# Altium PCB flexi_ethernet_w5500_solo.pcbdoc (part 5 of 7)
Units mm, origin at the board's own origin, x right, y up, seen from the top; angles counter-clockwise.
Board outline 85 x 20.49 mm, 4 copper layers (Top Layer, GND, PWR, Bottom Layer), stack 1.541 mm thick; 61 components, 41 nets, 7605 pads, 85 vias.
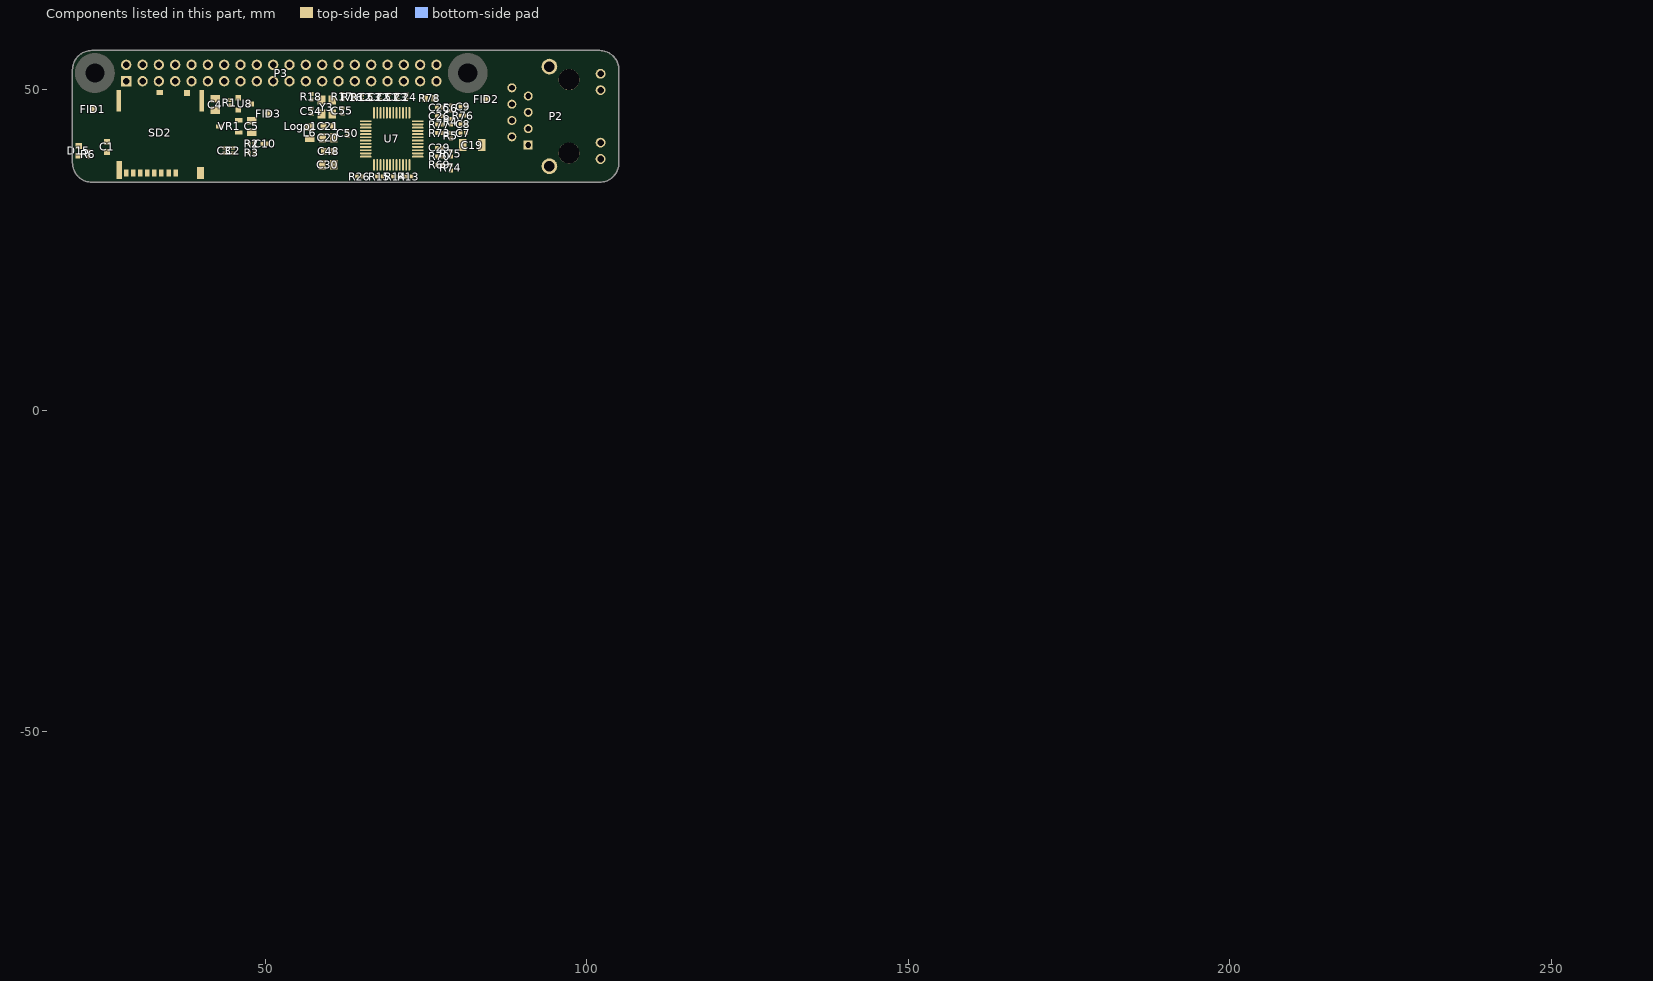
[diagram p7: the components of this part, seen from the top]

## Footprints (in the part's own frame and the unit in brackets; to place one, negate y for a bottom-side part, rotate by r counter-clockwise, add the part's x,y. Pads: shape width x height; smd on the part's side, far side on the other; paste and mask are expansions set on the pad) (continued)
Expatria-Logo [mil] "Expatria DXF logo" (continued)
  round 1.64 on Mech4: 1(-44084.13,-43686.41) 1(-44084.13,-43686.41) 1(-44083.22,-43664.04) 1(-44083.22,-43664.04) 1(-44083.22,-43543.69) 1(-44083.22,-43543.69) 1(-44082.8,-43686.83) 1(-44082.8,-43686.83) 1(-44082.34,-43664.04) 1(-44082.34,-43664.04) 1(-44082.34,-43517.31) 1(-44082.34,-43517.31) 1(-44081.89,-43688.19) 1(-44081.89,-43688.19) 1(-44080.56,-43688.64) 1(-44080.56,-43688.64) 1(-44080.11,-43689.52) 1(-44080.11,-43689.52) 1(-44079.2,-43516.85) 1(-44079.2,-43516.85) 1(-44078.74,-43689.97) 1(-44078.74,-43689.97) 1(-44078.32,-43690.88) 1(-44078.32,-43690.88) 1(-44078.32,-43541.45) 1(-44078.32,-43541.45) 1(-44076.96,-43669.84) 1(-44076.96,-43669.84) 1(-44076.96,-43691.3) 1(-44076.96,-43691.3) 1(-44076.51,-43692.21) 1(-44076.51,-43692.21) 1(-44076.09,-43669.84) 1(-44076.09,-43669.84) 1(-44076.09,-43515.52) 1(-44076.09,-43515.52) 1(-44075.18,-43692.66) 1(-44075.18,-43692.66) 1(-44074.73,-43693.54) 1(-44074.73,-43693.54) 1(-44073.4,-43672.99) 1(-44073.4,-43672.99) 1(-44073.4,-43540.13) 1(-44073.4,-43540.13) 1(-44073.4,-43693.99) 1(-44073.4,-43693.99) 1(-44072.95,-43694.9) 1(-44072.95,-43694.9) 1(-44072.95,-43515.07) 1(-44072.95,-43515.07) 1(-44072.49,-43672.99) 1(-44072.49,-43672.99) 1(-44071.62,-43695.35) 1(-44071.62,-43695.35) 1(-44071.16,-43696.23) 1(-44071.16,-43696.23) 1(-44069.8,-43513.74) 1(-44069.8,-43513.74) 1(-44069.8,-43696.68) 1(-44069.8,-43696.68) 1(-44069.38,-43697.59) 1(-44069.38,-43697.59) 1(-44068.47,-43537.89) 1(-44068.47,-43537.89) 1(-44068.02,-43698.01) 1(-44068.02,-43698.01) 1(-44067.56,-43698.92) 1(-44067.56,-43698.92) 1(-44066.69,-43513.29) 1(-44066.69,-43513.29) 1(-44066.23,-43699.37) 1(-44066.23,-43699.37) 1(-44065.78,-43700.24) 1(-44065.78,-43700.24) 1(-44064.46,-43700.7) 1(-44064.46,-43700.7) 1(-44063.54,-43536.56) 1(-44063.54,-43536.56) 1(-44063.54,-43511.96) 1(-44063.54,-43511.96) 1(-44062.67,-43702.48) 1(-44062.67,-43702.48) 1(-44062.21,-43683.72) 1(-44062.21,-43683.72) 1(-44061.31,-43702.94) 1(-44061.31,-43702.94) 1(-44061.31,-43683.72) 1(-44061.31,-43683.72) 1(-44061.31,-43535.2) 1(-44061.31,-43535.2) 1(-44060.86,-43703.84) 1(-44060.86,-43703.84) 1(-44060.44,-43511.51) 1(-44060.44,-43511.51) 1(-44059.53,-43704.3) 1(-44059.53,-43704.3) 1(-44059.07,-43705.17) 1(-44059.07,-43705.17) 1(-44059.07,-43534.74) 1(-44059.07,-43534.74) 1(-44058.19,-43687.28) 1(-44058.19,-43687.28) 1(-44057.74,-43705.63) 1(-44057.74,-43705.63) 1(-44057.29,-43510.14) 1(-44057.29,-43510.14) 1(-44057.29,-43687.28) 1(-44057.29,-43687.28) 1(-44056.84,-43533.42) 1(-44056.84,-43533.42) 1(-44055.96,-43707.41) 1(-44055.96,-43707.41) 1(-44054.6,-43707.86) 1(-44054.6,-43707.86) 1(-44054.6,-43532.96) 1(-44054.6,-43532.96) 1(-44054.14,-43708.77) 1(-44054.14,-43708.77) 1(-44054.14,-43509.72) 1(-44054.14,-43509.72) 1(-44053.27,-43691.75) 1(-44053.27,-43691.75) 1(-44052.82,-43709.19) 1(-44052.82,-43709.19) 1(-44052.36,-43710.1) 1(-44052.36,-43710.1) 1(-44052.36,-43691.75) 1(-44052.36,-43691.75) 1(-44052.36,-43531.63) 1(-44052.36,-43531.63) 1(-44051.03,-43508.36) 1(-44051.03,-43508.36) 1(-44051.03,-43710.55) 1(-44051.03,-43710.55) 1(-44050.12,-43531.18) 1(-44050.12,-43531.18) 1(-44049.25,-43712.34) 1(-44049.25,-43712.34) 1(-44047.89,-43712.79) 1(-44047.89,-43712.79) 1(-44047.89,-43529.85) 1(-44047.89,-43529.85) 1(-44047.43,-43713.66) 1(-44047.43,-43713.66) 1(-44046.1,-43714.12) 1(-44046.1,-43714.12) 1(-44046.1,-43507.49) 1(-44046.1,-43507.49) 1(-44045.65,-43529.4) 1(-44045.65,-43529.4) 1(-44044.78,-43699.83) 1(-44044.78,-43699.83) 1(-44044.33,-43715.9) 1(-44044.33,-43715.9) 1(-44043.87,-43699.83) 1(-44043.87,-43699.83) 1(-44043.41,-43528.04) 1(-44043.41,-43528.04) 1(-44042.96,-43716.35) 1(-44042.96,-43716.35) 1(-44042.96,-43506.13) 1(-44042.96,-43506.13) 1(-44042.08,-43717.72) 1(-44042.08,-43717.72) 1(-44041.18,-43527.62) 1(-44041.18,-43527.62) 1(-44040.73,-43718.14) 1(-44040.73,-43718.14) 1(-44040.31,-43719.05) 1(-44040.31,-43719.05) 1(-44039.85,-43505.67) 1(-44039.85,-43505.67) 1(-44038.94,-43526.25) 1(-44038.94,-43526.25) 1(-44038.94,-43719.5) 1(-44038.94,-43719.5) 1(-44038.07,-43720.83) 1(-44038.07,-43720.83) 1(-44037.62,-43706.54) 1(-44037.62,-43706.54) 1(-44036.71,-43525.8) 1(-44036.71,-43525.8) 1(-44036.71,-43721.28) 1(-44036.71,-43721.28) 1(-44036.71,-43706.54) 1(-44036.71,-43706.54) 1(-44036.71,-43504.34) 1(-44036.71,-43504.34) 1(-44036.25,-43722.19) 1(-44036.25,-43722.19) 1(-44034.92,-43722.61) 1(-44034.92,-43722.61) 1(-44034.47,-43723.52) 1(-44034.47,-43723.52) 1(-44034.01,-43709.65) 1(-44034.01,-43709.65) 1(-44033.6,-43503.89) 1(-44033.6,-43503.89) 1(-44033.14,-43524.02) 1(-44033.14,-43524.02) 1(-44033.14,-43723.97) 1(-44033.14,-43723.97) 1(-44033.14,-43709.65) 1(-44033.14,-43709.65) 1(-44032.69,-43724.85) 1(-44032.69,-43724.85) 1(-44031.36,-43725.3) 1(-44031.36,-43725.3) 1(-44030.9,-43523.56) 1(-44030.9,-43523.56) 1(-44029.54,-43727.08) 1(-44029.54,-43727.08) 1(-44028.67,-43522.23) 1(-44028.67,-43522.23) 1(-44028.67,-43502.11) 1(-44028.67,-43502.11) 1(-44028.21,-43727.54) 1(-44028.21,-43727.54) 1(-44026.43,-43521.78) 1(-44026.43,-43521.78) 1(-44026.43,-43729.32) 1(-44026.43,-43729.32) 1(-44025.52,-43501.65) 1(-44025.52,-43501.65) 1(-44025.07,-43729.77) 1(-44025.07,-43729.77) 1(-44024.65,-43730.68) 1(-44024.65,-43730.68) 1(-44024.2,-43520.45) 1(-44024.2,-43520.45) 1(-44023.74,-43719.5) 1(-44023.74,-43719.5) 1(-44023.28,-43731.14) 1(-44023.28,-43731.14) 1(-44022.83,-43719.5) 1(-44022.83,-43719.5) 1(-44021.96,-43520) 1(-44021.96,-43520) 1(-44021.51,-43732.92) 1(-44021.51,-43732.92) 1(-44021.05,-43519.09) 1(-44021.05,-43519.09) 1(-44020.18,-43722.61) 1(-44020.18,-43722.61) 1(-44019.27,-43722.61) 1(-44019.27,-43722.61) 1(-44018.81,-43518.67) 1(-44018.81,-43518.67) 1(-44018.36,-43734.25) 1(-44018.36,-43734.25) 1(-44017.03,-43735.61) 1(-44017.03,-43735.61) 1(-44016.58,-43517.31) 1(-44016.58,-43517.31) 1(-44015.7,-43736.03) 1(-44015.7,-43736.03) 1(-44015.25,-43727.08) 1(-44015.25,-43727.08) 1(-44014.79,-43737.39) 1(-44014.79,-43737.39) 1(-44014.79,-43498.96) 1(-44014.79,-43498.96) 1(-44014.34,-43727.08) 1(-44014.34,-43727.08) 1(-44014.34,-43516.85) 1(-44014.34,-43516.85) 1(-44011.65,-43739.17) 1(-44011.65,-43739.17) 1(-44010.78,-43731.14) 1(-44010.78,-43731.14) 1(-44010.78,-43515.07) 1(-44010.78,-43515.07) 1(-44010.78,-43497.18) 1(-44010.78,-43497.18) 1(-44009.87,-43735.61) 1(-44009.87,-43735.61) 1(-44009.87,-43731.14) 1(-44009.87,-43731.14) 1(-44009.42,-43735.61) 1(-44009.42,-43735.61) 1(-44009.42,-43732.92) 1(-44009.42,-43732.92) 1(-44009.42,-43732.47) 1(-44009.42,-43732.47) 1(-44009,-43738.72) 1(-44009,-43738.72) 1(-44009,-43733.37) 1(-44009,-43733.37) 1(-44008.54,-43738.72) 1(-44008.54,-43738.72) 1(-44008.54,-43732.47) 1(-44008.54,-43732.47) 1(-44008.54,-43514.62) 1(-44008.54,-43514.62) 1(-44008.08,-43740.08) 1(-44008.08,-43740.08) 1(-44006.3,-43513.29) 1(-44006.3,-43513.29) 1(-44004.07,-43512.83) 1(-44004.07,-43512.83) 1(-44003.16,-43511.96) 1(-44003.16,-43511.96) 1(-44002.29,-43495.85) 1(-44002.29,-43495.85) 1(-44000.92,-43511.51) 1(-44000.92,-43511.51) 1(-44000.92,-43494.94) 1(-44000.92,-43494.94) 1(-43997.81,-43509.72) 1(-43997.81,-43509.72) 1(-43997.81,-43494.49) 1(-43997.81,-43494.49) 1(-43995.57,-43509.27) 1(-43995.57,-43509.27) 1(-43993.76,-43507.91) 1(-43993.76,-43507.91) 1(-43991.52,-43507.49) 1(-43991.52,-43507.49) 1(-43990.65,-43506.58) 1(-43990.65,-43506.58) 1(-43988.41,-43506.13) 1(-43988.41,-43506.13) 1(-43986.18,-43504.8) 1(-43986.18,-43504.8) 1(-43983.94,-43504.34) 1(-43983.94,-43504.34) 1(-43981.25,-43490.47) 1(-43981.25,-43490.47) 1(-43976.77,-43500.32) 1(-43976.77,-43500.32) 1(-43974.54,-43499.87) 1(-43974.54,-43499.87) 1(-43973.63,-43498.96) 1(-43973.63,-43498.96) 1(-43971.39,-43498.54) 1(-43971.39,-43498.54) 1(-43968.74,-43487.36) 1(-43968.74,-43487.36) 1(-43967.83,-43496.31) 1(-43967.83,-43496.31) 1(-43964.68,-43495.4) 1(-43964.68,-43495.4) 1(-43961.57,-43493.16) 1(-43961.57,-43493.16) 1(-43957.55,-43491.38) 1(-43957.55,-43491.38) 1(-43957.55,-43486) 1(-43957.55,-43486) 1(-43954.87,-43488.69) 1(-43954.87,-43488.69) 1(-43954.41,-43486.91) 1(-43954.41,-43486.91)
  silkscreen extent -44849,-43740 -43954,-43379
Fiducial10-20 [mm]
  round 1 smd mask+0.5: 1(0,0)
  Top Layer keep-out circle w1.178: c0,0 r0.5
FP-318-08-MFG [mm]
  rect 0.9x0.8 smd paste+0 mask+0: 1(-1,0.95) 2(-1,-0.95) 3(1,0)
  silkscreen extent -0.7,-1.52 0.7,1.52, body extent -1.55,-1.62 1.55,1.62, height 0.25
HANRUN_HR911105A [mm]
  rect 1.398x1.398 hole 0.89: 1(4.45,-6.35)
  round 1.398 hole 0.89: 2(3.18,-8.89) 3(1.91,-6.35) 4(0.64,-8.89) 5(-0.63,-6.35) 6(-1.9,-8.89) 7(-3.17,-6.35) 8(-4.44,-8.89)
  round 1.53 hole 1.02: 9(6.625,4.9) 10(4.085,4.9) 11(-4.085,4.9) 12(-6.625,4.9)
  round 2.445 hole 1.63: 15(7.745,-3.05) 16(-7.745,-3.05)
  round 3.25 hole 3.25 unplated: ""(-5.715,0) ""(5.715,0)
  silkscreen extent -8,-10.48 9.15,10.92, body extent -7.95,-10.43 7.94,10.97, height 13.53
HDR2X20_2.54_180 [mm]
  rect 1.6x1.6 hole 1: 1(0,0)
  round 1.6 hole 1: 2(0,-2.54) 3(-2.54,0) 4(-2.54,-2.54) 5(-5.08,0) 6(-5.08,-2.54) 7(-7.62,0) 8(-7.62,-2.54) 9(-10.16,0) 10(-10.16,-2.54) 11(-12.7,0) 12(-12.7,-2.54) 13(-15.24,0) 14(-15.24,-2.54) 15(-17.78,0) 16(-17.78,-2.54) 17(-20.32,0) 18(-20.32,-2.54) 19(-22.86,0) 20(-22.86,-2.54) 21(-25.4,0) 22(-25.4,-2.54) 23(-27.94,0) 24(-27.94,-2.54) 25(-30.48,0) 26(-30.48,-2.54) 27(-33.02,0) 28(-33.02,-2.54) 29(-35.56,0) 30(-35.56,-2.54) 31(-38.1,0) 32(-38.1,-2.54) 33(-40.64,0) 34(-40.64,-2.54) 35(-43.18,0) 36(-43.18,-2.54) 37(-45.72,0) 38(-45.72,-2.54) 39(-48.26,0) 40(-48.26,-2.54)
  body extent -49.53,-3.81 1.27,1.27, height 8.5
LQFP-48_7x7x05P [mm]
  oval 0.28x1.8 smd mask+0.051: 1(-2.75,-4.05) 2(-2.25,-4.05) 3(-1.75,-4.05) 4(-1.25,-4.05) 5(-0.75,-4.05) 6(-0.25,-4.05) 7(0.25,-4.05) 8(0.75,-4.05) 9(1.25,-4.05) 10(1.75,-4.05) 11(2.25,-4.05) 12(2.75,-4.05) 25(2.75,4.05) 26(2.25,4.05) 27(1.75,4.05) 28(1.25,4.05) 29(0.75,4.05) 30(0.25,4.05) 31(-0.25,4.05) 32(-0.75,4.05) 33(-1.25,4.05) 34(-1.75,4.05) 35(-2.25,4.05) 36(-2.75,4.05)
  oval 1.8x0.28 smd mask+0.051: 13(4.05,-2.75) 14(4.05,-2.25) 15(4.05,-1.75) 16(4.05,-1.25) 17(4.05,-0.75) 18(4.05,-0.25) 19(4.05,0.25) 20(4.05,0.75) 21(4.05,1.25) 22(4.05,1.75) 23(4.05,2.25) 24(4.05,2.75) 37(-4.05,2.75) 38(-4.05,2.25) 39(-4.05,1.75) 40(-4.05,1.25) 41(-4.05,0.75) 42(-4.05,0.25) 43(-4.05,-0.25) 44(-4.05,-0.75) 45(-4.05,-1.25) 46(-4.05,-1.75) 47(-4.05,-2.25) 48(-4.05,-2.75)
  silkscreen extent -3.6,-4.42 2.75,2.75, body extent -4.5,-4.5 4.5,4.5, height 1.6
MOLX-503398-1892_V [mm] "CONN, 8-Leads, Body 14.05x13.2mm, Pitch 1.1mm"
  rect 0.7x1.1 smd: 1(-2.38,6.27) 2(-1.28,6.27) 3(-0.18,6.27) 4(0.92,6.27) 5(2.02,6.27) 6(3.12,6.27) 7(4.22,6.27) 8(5.32,6.27)
  rect 1.05x0.78 smd: 9(0.095,-6.27)
  rect 0.9x0.93 smd: 10(-4.17,-6.195)
  rect 0.86x2.8 smd: 11(6.4,5.77)
  rect 0.7x3.3 smd: 12(6.48,-5.01) 13(-6.48,-5.01)
  rect 1.14x1.83 smd: 14(-6.26,6.255)
  Top Layer keep-out region: -3.22,-6.28 -2.67,-6.28 -2.67,-5.73 -3.22,-5.73
  Top Layer keep-out region: -5.235,-6.08 -4.685,-6.08 -4.685,-3.93 -5.235,-3.93
  Top Layer keep-out region: -6.83,-0.63 -6.13,-0.63 -6.13,1.77 -6.83,1.77
  Top Layer keep-out region: 6.83,4.37 6.83,-3.36 6.13,-3.36 6.13,-5.88 -0.43,-5.88 -0.43,-6.66 -1.73,-6.66 -1.73,-4.48 0.57,-4.48 0.57,-3.23 -3.82,-3.23 -3.82,-0.63 -3.17,-0.63 -3.17,4.37
  silkscreen extent -6.6,-6.38 6.6,8.82, body extent -6.55,-6.38 6.55,7.67, height 1.28
SOT-23-3L [mm] "http://www.aosmd.com/res/packaging_information/SOT-23-3L.pdf"
  rect 1.15x0.65 smd: 1(1.475,-0.95) 2(1.475,0.95) 3(-1.475,0)
  silkscreen extent -0.9,-1.95 1.6,1.55, body extent -0.9,-1.55 0.9,1.55, height 1.25
YSX321SL [mm]
  rect 1.4x1.2 smd: 1(-1.1,-0.85) 2(1.1,-0.85) 3(1.1,0.85) 4(-1.1,0.85)
  silkscreen extent -2.8,-1.1 -2.6,-0.9, body extent -1.68,-1.33 1.68,1.33, height 0.9

## Part data
C1: library part "0603 4.7uF (475) 10% 16V", "Chip capacitors", Manufacturer="Samsung Electro-Mechanics", Manufacturer Part Number=CL10A475KO8NNNC, Package=0603, SuppliersPartNumber=C19666, Tolerance=10%, VOLTAGE=16V, Capacitance=4.7uF, ComponentLink1Description="Supplier link", ComponentLink1URL=http://www.szlcsc.com/product/details_20375.html, PartNumber=CL10A475KO8NNNC, Supplier=LCSC
C2 C10: library part "0402 1.0uF (105) 10% 25V", "Chip capacitor", Capacitance=1uF, Manufacturer="Samsung Electro-Mechanics", Package=0402, PartNumber=CL05A105KA5NQNC, SuppliersPartNumber=C52923, Tolerance=10%, VOLTAGE=25V, ComponentLink1Description="Supplier link", ComponentLink1URL=http://www.szlcsc.com/product/details_53938.html, Supplier=LC
C3 C22 C23 C24 C25 C26 C29 C50: library part "0402 100nF (104) 10% 16V", "Chip capacitors", Manufacturer="Samsung Electro-Mechanics", Package=0402, PartNumber=CL05B104KO5NNNC, SuppliersPartNumber=C1525, Tolerance=10%, VOLTAGE=16V, Capacitance=100nF, ComponentLink1Description="Supplier link", ComponentLink1URL=http://www.szlcsc.com/product/details_1877.html, Supplier=LC
C4 C5 C20 C30: library part "0805 22uF (226) 20% 25V", "Chip capacitors", Manufacturer="Samsung Electro-Mechanics", Package=0805, PartNumber=CL21A226MAQNNNE, SuppliersPartNumber=C2922481, Tolerance=20%, VOLTAGE=25V, Capacitance=22uF, ComponentLink1Description="Supplier link", ComponentLink1URL=http://www.szlcsc.com/product/details_46786.html, Supplier=LC
C6 C53: library part "0402 10nF (103) 10% 50V", "Chip capacitors", Manufacturer="Samsung Electro-Mechanics", Package=0402, PartNumber=CL05B103KB5NNNC, SuppliersPartNumber=C15195, Tolerance=10%, VOLTAGE=50V, Capacitance=10nF, ComponentLink1Description="Supplier link", ComponentLink1URL=http://www.szlcsc.com/product/details_15869.html, Supplier=LC
C7 C8: library part "0402 6.8nF (682) 10% 50V", "Chip capacitors", Manufacturer="Guangdong Fenghua Advanced Tech", Package=0402, PartNumber=0402B682K500NT, SuppliersPartNumber=C1542, Tolerance=10%, VOLTAGE=50V, Capacitance=6.8nF, ComponentLink1Description="Supplier link", ComponentLink1URL=http://www.szlcsc.com/product/details_1894.html, Supplier=LC
C9: library part "0402 22nF (223) 10% 50V", "Chip capacitors", Manufacturer="Guangdong Fenghua Advanced Tech", Package=0402, PartNumber=0402B223K500NT, SuppliersPartNumber=C1532, Tolerance=10%, VOLTAGE=50V, Capacitance=22nF, ComponentLink1Description="Supplier link", ComponentLink1URL=http://www.szlcsc.com/product/details_1884.html, Supplier=LC
C19: library part "1206 1nF (102) 10% 500V", "Chip capacitors", Manufacturer="Samsung Electro-Mechanics", Package=1206, PartNumber=CL31B102KGFNNNE, SuppliersPartNumber=C35216, Tolerance=10%, VOLTAGE=500V, Capacitance=1nF, ComponentLink1Description="Supplier link", ComponentLink1URL=http://www.szlcsc.com/product/details_36187.html, Supplier=LC
C21 C48: library part "0603 4.7uF (475) 10% 16V", "Chip capacitors", Manufacturer="Samsung Electro-Mechanics", Package=0603, PartNumber=CL10A475KO8NNNC, SuppliersPartNumber=C19666, Tolerance=10%, VOLTAGE=16V, Capacitance=4.7uF, ComponentLink1Description="Supplier link", ComponentLink1URL=http://www.szlcsc.com/product/details_20375.html, Supplier=LC
C51: library part "0402 4.7uF (475) 20% 10V", "Chip capacitor", Manufacturer="Samsung Electro-Mechanics", Package=0402, PartNumber=CL05A475MP5NRNC, SuppliersPartNumber=C23733, Tolerance=20%, VOLTAGE=10V, Capacitance=4.7uF, ComponentLink1Description="Supplier link", ComponentLink1URL=http://www.szlcsc.com/product/details_24469.html, Supplier=LC
C54 C55: library part "0402 10pF (100) 5% 50V", "Chip capacitors", Manufacturer="Samsung Electro-Mechanics", Package=0402, PartNumber=CL05C100JB5NNNC, SuppliersPartNumber=C32949, Tolerance=5%, VOLTAGE=50V, Capacitance=10pF, ComponentLink1Description="Supplier link", ComponentLink1URL=http://www.szlcsc.com/product/details_33914.html, Supplier=LC
D15: library part "0603 LED Green", "LED", Color=Green, Package=0603, SuppliersPartNumber=C72043, ComponentLink1Description=供应商链接, ComponentLink1URL=http://www.szlcsc.com/product/details_73152.html, Supplier=LC
FID1 FID2 FID3: "FIDUCIAL NO ASSEMBLY", Manufacturer 1=NONE, Manufacturer Part Number 1=NONE
L6: library part "0402 220R@100Mhz 0.1A", "220Ω @ 100MHz 1 2A 150mΩ 0805 Ferrite Beads ROHS", Package=0805, SuppliersPartNumber=C139188, Supplier=LC
Logo1: library part SBT-Logo, "Expatria Logo", Manufacturer 1=NONE, Manufacturer Part Number 1=NONE
P2: library part HR911105A, "HR911105A Ethernet Interface Arduino Platform Evaluation Expansion Board", Package=None, SuppliersPartNumber=C163507, Availability=Unavailable, MF=DFRobot, MP=HR911105A, Price=None
P3: "Header, 20-Pin, Dual row", SuppliersPartNumber=C124383, LatestRevisionDate=17-Jul-2002, LatestRevisionNote="Re-released for DXP Platform.", Publisher="Altium Limited"
R1 R2 R3 R18: library part "0402 0R (0R0) 1%", "Chip resistor", Manufacturer="Uniroyal Elec", Package=0402, PartNumber=0402WGF0000TCE, Power=1/16W, Resistance=0Ω, SuppliersPartNumber=C17168, Tolerance=1%, ComponentLink1Description="Supplier link", ComponentLink1URL=http://www.szlcsc.com/product/details_17853.html, Supplier=LC
R4 R5 R74 R75: library part "0402 49.9R (49R9) 1%", "Chip resistor", Manufacturer="Uniroyal Elec", Package=0402, PartNumber=0402WGF499JTCE, Power=1/16W, Resistance=49.9Ω, SuppliersPartNumber=C25120, Tolerance=1%, ComponentLink1Description="Supplier link", ComponentLink1URL=http://www.szlcsc.com/product/details_25863.html, Supplier=LC
R6: library part "0402 4.7K (4701) 1%", "Chip resistor", Manufacturer="Uniroyal Elec", Package=0402, PartNumber=0402WGF4701TCE, Power=1/16W, Resistance=4.7KΩ, SuppliersPartNumber=C25900, Tolerance=1%, ComponentLink1Description="Supplier link", ComponentLink1URL=http://www.szlcsc.com/product/details_26643.html, Supplier=LC
R12 R16: library part "0402 330R (3300) 1%", "Chip resistor", Manufacturer="Uniroyal Elec", Package=0402, PartNumber=0402WGF3300TCE, Power=1/16W, Resistance=330Ω, SuppliersPartNumber=C25104, Tolerance=1%, ComponentLink1Description="Supplier link", ComponentLink1URL=http://www.szlcsc.com/product/details_25847.html, Supplier=LC
R13 R14 R15 R26: library part "0402 10K (1002) 1%", "Chip resistor", Manufacturer="Uniroyal Elec", Package=0402, PartNumber=0402WGF1002TCE, Power=1/16W, Resistance=10KΩ, SuppliersPartNumber=C25744, Tolerance=1%, ComponentLink1Description="Supplier link", ComponentLink1URL=http://www.szlcsc.com/product/details_26487.html, Supplier=LC
R17: library part "0402 1M (1004) 1%", "Chip resistor", Manufacturer="Uniroyal Elec", Package=0402, PartNumber=0402WGF1004TCE, Power=1/16W, Resistance=1MΩ, SuppliersPartNumber=C26083, Tolerance=1%, ComponentLink1Description="Supplier link", ComponentLink1URL=http://www.szlcsc.com/product/details_26826.html, Supplier=LC
R69 R70 R73 R77: library part "0402 33R (33R0) 1%", "Chip resistor", Manufacturer="Uniroyal Elec", Package=0402, PartNumber=0402WGF330JTCE, Power=1/16W, Resistance=33Ω, SuppliersPartNumber=C25105, Tolerance=1%, ComponentLink1Description="Supplier link", ComponentLink1URL=http://www.szlcsc.com/product/details_25848.html, Supplier=LC
R76: library part "0402 10R (10R0) 1%", "Chip resistor", Manufacturer="Uniroyal Elec", Package=0402, PartNumber=0402WGF100JTCE, Power=1/16W, Resistance=10Ω, SuppliersPartNumber=C25077, Tolerance=1%, ComponentLink1Description="Supplier link", ComponentLink1URL=http://www.szlcsc.com/product/details_25820.html, Supplier=LC
R78: library part "0603 10K (1002) 1%", "Chip resistor", Manufacturer="Uniroyal Elec", Package=0603, PartNumber=0603WAF1242T5E, Power=1/10W, Resistance=12.4K, SuppliersPartNumber=C22865, Tolerance=1%, ComponentLink1Description="Supplier link", ComponentLink1URL=http://www.szlcsc.com/product/details_26547.html, Supplier=LC
SD2: library part CMP-2000-05621-1, "Micro SD Connector, Pitch 1.1 mm, 8 Position, Height 1.4 mm, -25 to 85 degC, RoHS, Tape and Reel", Manufacturer=Molex, SuppliersPartNumber=C428492, Voltage Rating=10VAC/DC, Brand=Molex, Manufacturer URL=http://www.molex.com/, Package Reference=503398-1892, Packaging=Reel, RoHS=Details, Series=503398
U7: library part W5500_[C32843], "Ethernet Controllers 2.97V ~ 3.63V 10/100 Base-T/TX PHY SPI LQFP-48_7x7x05P Ethernet ICs ROHS", Package=LQFP-48_7x7x05P, SuppliersPartNumber=C32843, ComponentLink1Description=供应商链接, ComponentLink1URL=http://www.szlcsc.com/product/details_33808.html, Supplier=LC
U8: library part CMP-07130-000007-1, "IC MPU SUPERVISORY 2.93V SOT23", Manufacturer="ON SEMICONDUCTOR", Max Junction Temp=+125°C, Max Supply Voltage=5.5V, Min Supply Voltage=1V, Nominal Supply Current=0.5-0.8uA, Output Current=20mA, Output Voltage=0.3V, Package=318-08, SuppliersPartNumber=C9965, Temperature="-40°C to +125°C", Temperature Range Low=-40°C, Threshold Voltage=2.93V, Automotive=No, Category=IC, ComponentLink2Description=Datasheet, ComponentLink2URL=https://www.onsemi.cn/PowerSolutions/document/MAX809S-D.PDF, Device Class L1="Integrated Circuits (ICs)", Device Class L2="Power Management ICs", Device Class L3="Voltage Supervisors", Digikey Description="IC MPU SUPERVISORY 2.93V SOT23", Footprint Url=https://www.onsemi.com/pub/Collateral/318-08.PDF, HEIGHT=1.11mm, Lead Free=Yes, Manufacturer Part Number=MAX809STRG, Mouser Description="Supervisory Circuits 2.93V uP Reset", Number of Outputs=1, Number Of Rails Monitored=1, Octopart=https://octopart.com/max809strg-on+semiconductor-509853, Reset Timeout=10us, Reset Type="Active Low", RoHS=TRUE, Standoff Height=0.01mm, Temperature Range High=+125°C
VR1: library part "SOT-23 XC6206P332MR", "200mA 680mV@(100mA) Fixed 3.3V~3.3V Positive 1 6V SOT-23-3L Linear Voltage Regulators (LDO) ROHS", Package=SOT-23, SuppliersPartNumber=C5446, ComponentLink1Description=供应商链接, ComponentLink1URL=http://www.szlcsc.com/product/details_5896.html, Supplier=LC
Y3: library part YSX321SL, "Crystal or Oscillator", Manufacturer_Name="Yangxing Tech", Manufacturer_Part_Number=X322525MSB4SI, SuppliersPartNumber=C13740, HEIGHT=0.8mm